# Altium PCB shkb_lite.PcbDoc (part 1 of 2)
Units mm, origin at the board's own origin, x right, y up, seen from the top; angles counter-clockwise.
Board outline 141.5 x 36 mm, 2 copper layers (Top Layer, Bottom Layer), stack 1.57 mm thick; 73 components, 51 nets, 359 pads, 288 vias.
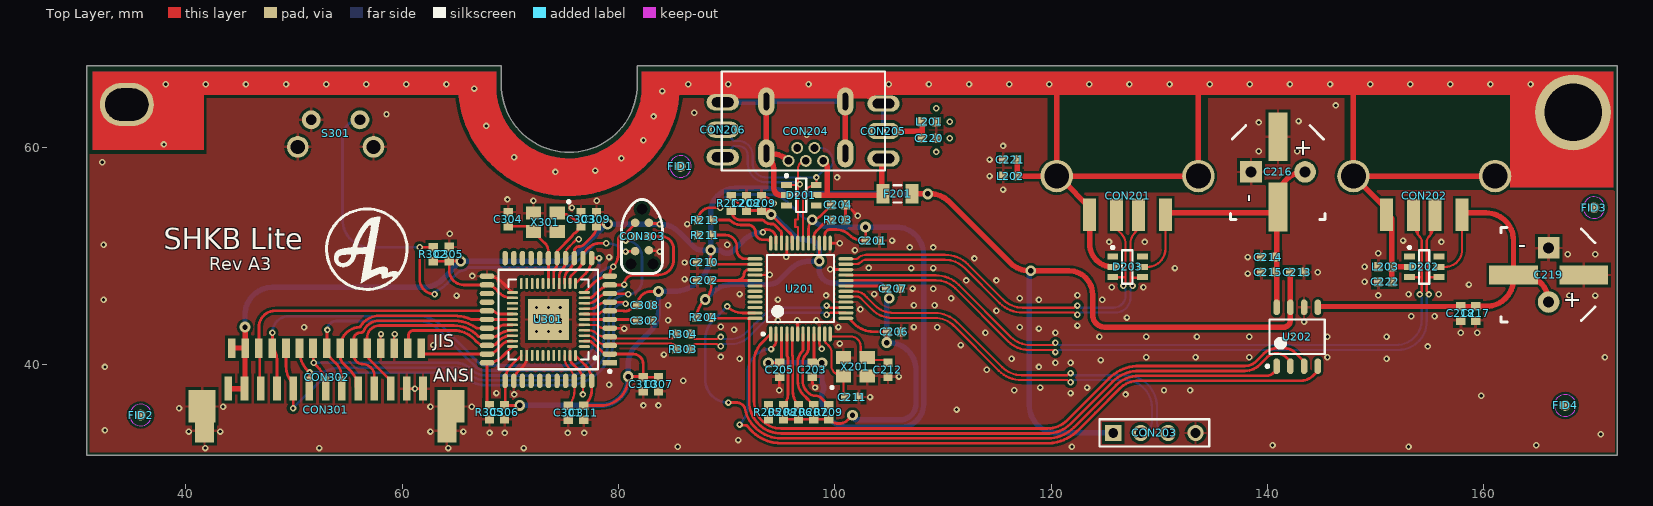
[diagram p0: Top Layer view]
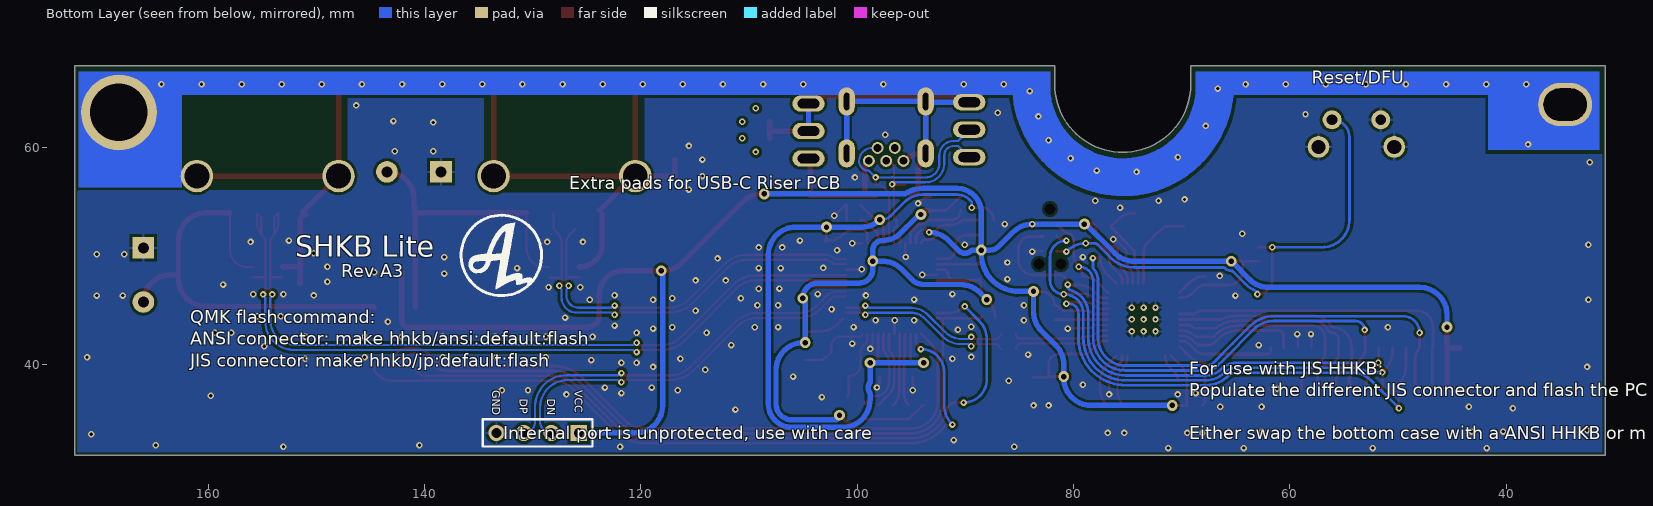
[diagram p1: Bottom Layer view, seen from below]

## Layer stack, top to bottom
Top Solder: solder mask 0.0102, Solder Resist, Dk 3.5
Top Layer: signal copper 0.0356
Dielectric 1: core 1.4986, Core-043, Dk 4.3
Bottom Layer: signal copper 0.0356
Bottom Solder: solder mask 0.0102, Solder Resist, Dk 3.5

## Board outline
30.843,31.602 30.843,67.602 69.143,67.602 69.143,65.902 ccw(c75.443,65.902) 75.443,59.602 ccw(c75.443,65.902) 81.743,65.902 81.743,67.602 172.344,67.602 172.344,31.602

## Design rules (kind name [scope] priority, off if disabled: settings)
BoardOutlineClearance [All] p1: gap=0.254 ignorepadtopadclearanceinfootprint=FALSE except(0: Arc-SplitContinuation Track-SplitContinuation SMDPad-SplitContinuation THPad-SplitContinuation Via-SplitContinuation Fill-SplitContinuation Poly-SplitContinuation Region-SplitContinuation Text-SplitContinuation)
Clearance [All] p1: gap=0.254 ignorepadtopadclearanceinfootprint=FALSE except(0: Arc-Hole Track-Hole SMDPad-Hole THPad-Hole Via-Hole Fill-Hole Poly-Hole Region-Hole Text-Hole; 0.2: Arc-Arc Arc-Track Arc-SMDPad Track-Track Track-SMDPad SMDPad-SMDPad)
DiffPairsRouting [All] p1: maxlimit=0.254 minlimit=0.254 mostfreqgap=0.254 toplayer_minwidth=0.2 toplayer_maxwidth=0.381 toplayer_prefwidth=0.381 bottomlayer_minwidth=0.2 bottomlayer_maxwidth=0.381 bottomlayer_prefwidth=0.381 maxuncoupledlength=12.7
PlaneConnect [All] p1: pad.planeconnectstyle=Relief pad.reliefexpansion=0.508 pad.reliefentries=4 pad.reliefconductorwidth=0.254 pad.reliefairgap=0.254 via.planeconnectstyle=Direct via.reliefexpansion=0.508 via.reliefentries=4 via.reliefconductorwidth=0.254 via.reliefairgap=0.254
PolygonConnect [All] p1: connectstyle=Relief reliefconductorwidth=0.254 reliefentries=4 polygonreliefangle="90 Angle" airgapwidth=0.254
RoutingVias [All] p1: holewidth=0.711 width=1.27 viastyle="Through Hole" minholewidth=0.3 minwidth=0.6 maxholewidth=0.711 maxwidth=1.27
SolderMaskExpansion [All] p1: expansion=0.102 istentingtop=FALSE
Width [All] p1: maxlimit=0.5 minlimit=0.2 preferedwidth=0.254
28 further rules are at their usual default settings.

## Classes and differential pairs
component class Designator: C301 C302 C303 C304 C305 C306 C307 C308 C309 C310 C311 CON301 CON302 CON303 R302 R303 R304 R305 S301 U301 X301
differential pair MCU_D_PRE: +MCU_D_PRE_P -MCU_D_PRE_N
differential pair D: +D_P -D_N
differential pair D4: +D4_P -D4_N
differential pair D3: +D3_P -D3_N
differential pair D2: +D2_P -D2_N
differential pair D1: +D1_P -D1_N

## Components (designator, comment, footprint, x,y, rotation, side; value= is the part's Value field where it differs from the comment)
C201 "" C0603[1608] 103.505,51.443 r180 top value=10uF
C202 "" C0603[1608] 87.925,47.76 r0 top value=10uF
C203 "" C0603[1608] 97.917,39.505 r90 top value=0.1uF
C204 "" C0603[1608] 100.33,54.745 r180 top value=0.1uF
C205 "" C0603[1608] 94.91,39.505 r90 top value=0.1uF
C206 "" C0603[1608] 105.48,43.017 r180 top value=0.1uF
C207 "" C0603[1608] 105.41,46.998 r180 top value=0.1uF
C208 "" C0603[1608] 91.821,54.872 r270 top value=0.1uF
C209 "" C0603[1608] 93.218,54.872 r270 top value=0.1uF
C210 "" C0603[1608] 87.925,49.411 r0 top value=1uF
C211 "" C0603[1608] 101.6,36.965 r180 top value=30pF
C212 "" C0603[1608] 104.902,39.505 r90 top value=30pF
C213 "" C0603[1608] 142.748,48.514 r180 top value=0.1uF
C214 "" C0603[1608] 140.081,49.911 r0 top value=0.1uF
C215 "" C0603[1608] 140.081,48.514 r0 top value=10uF
C216 "" "C_9L_9M + THT" 140.97,57.785 r270 top value=100-150uF
C217 "" C0603[1608] 159.258,44.704 r90 top value=0.1uF
C218 "" C0603[1608] 157.861,44.704 r90 top value=10uF
C219 "" "C_9L_9M + THT" 165.989,48.26 r180 top value=100-150uF
C220 "" C0603[1608] 108.712,60.893 r180 top value=0.1uF
C221 "" C0603[1608] 116.205,58.928 r0 top value=0.1uF
C222 "" C0603[1608] 150.876,47.625 r0 top value=0.1uF
C301 "" C0603[1608] 75.357,35.53 r270 top value=0.1uF
C302 "" C0603[1608] 82.405,44.048 r0 top value=1uF
C303 "" C0603[1608] 76.538,53.421 r270 top value=18pF
C304 "" C0603[1608] 69.807,53.421 r270 top value=18pF
C305 "" C0603[1608] 64.346,50.195 r270 top value=0.1uF
C306 "" C0603[1608] 69.469,35.56 r90 top value=0.1uF
C307 "" C0603[1608] 83.701,38.156 r90 top value=0.1uF
C308 "" C0603[1608] 82.405,45.471 r180 top value=0.1uF
C309 "" C0603[1608] 77.96,53.421 r270 top value=0.1uF
C310 "" C0603[1608] 82.278,38.156 r90 top value=0.1uF
C311 "" C0603[1608] 76.792,35.53 r90 top value=1uF
CON201 "Generic USB-A 2.0" "JING 903-231A2031S10100" 127.058,57.4 r180 top locked
CON202 "Generic USB-A 2.0" "JING 903-231A2031S10100" 154.493,57.4 r180 top locked
CON203 "Header 4" HDR1X4 125.73,33.655 r0 top
CON204 "HRO U-M-M5DD-W-2" "HRO U-M-M5DD-W-2" 97.315,59.5 r270 top
CON205 "Header 3" HDR1X3 104.492,59.022 r90 top
CON206 "Header 3" HDR1X3 89.633,59.149 r90 top
CON301 "HHKB-board connector" "JST S13B-ZR-SM4A-TF(LF)(SN)" 61.922,37.749 r180 top locked
CON302 "HHKB-board connector JP" DF14A-15P-1.25H 53.005,36.102 r180 top locked
CON303 "TC2030-IDC" TC2030-IDC-NL 82.169,51.816 r270 top
D201 "SRV05" SOT-23-6#1 96.901,55.634 r180 top locked
D202 "SRV05" SOT-23-6#2 154.493,49 r0 top
D203 "SRV05" SOT-23-6#2 127.058,49 r0 top
F201 "Fuse Thermal" C1206[3216] 105.791,55.753 r180 top
FID1 "Plug" Fiducial_Nordic 85.725,58.293 r90 top
FID2 "Plug" Fiducial_Nordic 35.814,35.306 r90 top
FID3 "Plug" Fiducial_Nordic 170.18,54.483 r90 top
FID4 "Plug" Fiducial_Nordic 167.513,36.195 r90 top
L201 "Inductor" L0603[1608] 108.712,62.417 r180 top value="220 @ 100MHz, 2A"
L202 "Inductor" L0603[1608] 116.205,57.404 r0 top value="220 @ 100MHz, 2A"
L203 "Inductor" L0603[1608] 150.876,49.022 r0 top value="220 @ 100MHz, 2A"
R203 "" R0603[1608] 100.33,53.348 r180 top value=2.7k
R204 "" R0603[1608] 87.884,44.331 r180 top value=10k
R205 "" R0603[1608] 93.853,35.568 r90 top value=10k
R206 "" R0603[1608] 96.647,35.568 r270 top value=10k
R207 "" R0603[1608] 98.044,35.568 r270 top value=10k
R208 "" R0603[1608] 95.25,35.568 r270 top value=10k
R209 "" R0603[1608] 99.441,35.568 r270 top value=10k
R211 "" R0603[1608] 88.011,51.951 r0 top value=10k
R212 "" R0603[1608] 90.424,54.872 r90 top value=10k
R213 "" R0603[1608] 88.011,53.34 r0 top value=10k
R302 "" R0603[1608] 62.873,50.17 r270 top value=10K
R303 "" R0603[1608] 85.979,41.402 r180 top value=22R
R304 "" R0603[1608] 85.979,42.799 r180 top value=22R
R305 "" R0603[1608] 68.072,35.56 r90 top value=10K
S301 "SW-PB" "WURTH 431256038736" 53.843,62.602 r180 top locked
U201 "FE1.1" "FE1.1 LQFP48" 96.815,46.998 r90 top
U202 "MIC2026-2" SOIC-8 142.748,42.545 r90 top
U301 "ATMEGA32U4" ATMEGA32U4-COMBO 73.515,44.142 r180 top locked
X201 "XTAL" XTAL-3225 101.895,39.759 r0 top value=12MHz
X301 "XTAL" XTAL-3225 73.236,53.116 r180 top

## Footprints (in the part's own frame and the unit in brackets; to place one, negate y for a bottom-side part, rotate by r counter-clockwise, add the part's x,y. Pads: shape width x height; smd on the part's side, far side on the other; paste and mask are expansions set on the pad)
ATMEGA32U4-COMBO [mm] "QFP, 44-Leads, Body 9,95x9,95mm, Pitch 0,80mm, IPC Medium Density"
  rect 1.35x0.5 smd: 1(-5.675,4)
  oval 1.05x0.25 smd: 1(-3.325,2.5) 2(-3.325,2) 3(-3.325,1.5) 4(-3.325,1) 5(-3.325,0.5) 6(-3.325,0) 7(-3.325,-0.5) 8(-3.325,-1) 9(-3.325,-1.5) 10(-3.325,-2) 11(-3.325,-2.5) 23(3.325,-2.5) 24(3.325,-2) 25(3.325,-1.5) 26(3.325,-1) 27(3.325,-0.5) 28(3.325,0) 29(3.325,0.5) 30(3.325,1) 31(3.325,1.5) 32(3.325,2) 33(3.325,2.5)
  oval 1.35x0.5 smd: 2(-5.675,3.2) 3(-5.675,2.4) 4(-5.675,1.6) 5(-5.675,0.8) 6(-5.675,0) 7(-5.675,-0.8) 8(-5.675,-1.6) 9(-5.675,-2.4) 10(-5.675,-3.2) 11(-5.675,-4) 23(5.675,-4) 24(5.675,-3.2) 25(5.675,-2.4) 26(5.675,-1.6) 27(5.675,-0.8) 28(5.675,0) 29(5.675,0.8) 30(5.675,1.6) 31(5.675,2.4) 32(5.675,3.2) 33(5.675,4)
  oval 0.5x1.35 smd: 12(-4,-5.675) 13(-3.2,-5.675) 14(-2.4,-5.675) 15(-1.6,-5.675) 16(-0.8,-5.675) 17(0,-5.675) 18(0.8,-5.675) 19(1.6,-5.675) 20(2.4,-5.675) 21(3.2,-5.675) 22(4,-5.675) 34(4,5.675) 35(3.2,5.675) 36(2.4,5.675) 37(1.6,5.675) 38(0.8,5.675) 39(0,5.675) 40(-0.8,5.675) 41(-1.6,5.675) 42(-2.4,5.675) 43(-3.2,5.675) 44(-4,5.675)
  oval 0.25x1.05 smd: 12(-2.5,-3.325) 13(-2,-3.325) 14(-1.5,-3.325) 15(-1,-3.325) 16(-0.5,-3.325) 17(0,-3.325) 18(0.5,-3.325) 19(1,-3.325) 20(1.5,-3.325) 21(2,-3.325) 22(2.5,-3.325) 34(2.5,3.325) 35(2,3.325) 36(1.5,3.325) 37(1,3.325) 38(0.5,3.325) 39(0,3.325) 40(-0.5,3.325) 41(-1,3.325) 42(-1.5,3.325) 43(-2,3.325) 44(-2.5,3.325)
  rect 3.81x3.81 smd paste-1000: 43(0,0)
  silkscreen extent -5.8,-4.6 4.6,4.92, body extent -3.6,-3.6 3.6,3.6, height 1
C0603[1608] [mm] "Chip Resistor, 2-Leads, Body 1,57x0,80mm, IPC Medium Density"
  rect 0.8x0.85 smd: 1(-0.65,0) 2(0.65,0)
  body extent -0.83,-0.43 0.82,0.43, height 0.5
C1206[3216] [mm]
  rect 1.2x1.8 smd: 1(-1.35,0) 2(1.35,0)
  silkscreen extent -0.35,-0.8 0.35,0.8, body extent -1.6,-0.9 1.6,0.9, height 1.2
"C_9L_9M + THT" [mm] "Size 9L and 9M Aluminium capacitor"
  round 2 hole 1 mask+0.102: 1(0,2.5)
  rect 4.5x1.75 smd: 1(3.25,0) 2(-3.25,0)
  rect 2x2 hole 1 mask+0.102: 2(0,-2.5)
  silkscreen extent -4.29,-4.39 4.39,4.34, body extent -4.8,-4.26 4.8,4.24, height 6.5
DF14A-15P-1.25H [mm]
  rect 0.7x1.8 smd: 1(8.75,-5.4) 2(7.5,-5.4) 3(6.25,-5.4) 4(5,-5.4) 5(3.75,-5.4) 6(2.5,-5.4) 7(1.25,-5.4) 8(0,-5.4) 9(-1.25,-5.4) 10(-2.5,-5.4) 11(-3.75,-5.4) 12(-5,-5.4) 13(-6.25,-5.4) 14(-7.5,-5.4) 15(-8.75,-5.4)
  rect 2.5x3 smd: 16(-11.5,0) 16(11.5,0)
"FE1.1 LQFP48" [mm] "TSQFP, 48-Leads, Body 7.00x7.00mm, Pitch 0.50mm, IPC Medium Density"
  oval 1.4x0.3 smd: 1(-4.2,2.75) 2(-4.2,2.25) 3(-4.2,1.75) 4(-4.2,1.25) 5(-4.2,0.75) 6(-4.2,0.25) 7(-4.2,-0.25) 8(-4.2,-0.75) 9(-4.2,-1.25) 10(-4.2,-1.75) 11(-4.2,-2.25) 12(-4.2,-2.75) 25(4.2,-2.75) 26(4.2,-2.25) 27(4.2,-1.75) 28(4.2,-1.25) 29(4.2,-0.75) 30(4.2,-0.25) 31(4.2,0.25) 32(4.2,0.75) 33(4.2,1.25) 34(4.2,1.75) 35(4.2,2.25) 36(4.2,2.75)
  oval 0.3x1.4 smd: 13(-2.75,-4.2) 14(-2.25,-4.2) 15(-1.75,-4.2) 16(-1.25,-4.2) 17(-0.75,-4.2) 18(-0.25,-4.2) 19(0.25,-4.2) 20(0.75,-4.2) 21(1.25,-4.2) 22(1.75,-4.2) 23(2.25,-4.2) 24(2.75,-4.2) 37(2.75,4.2) 38(2.25,4.2) 39(1.75,4.2) 40(1.25,4.2) 41(0.75,4.2) 42(0.25,4.2) 43(-0.25,4.2) 44(-0.75,4.2) 45(-1.25,4.2) 46(-1.75,4.2) 47(-2.25,4.2) 48(-2.75,4.2)
  silkscreen extent -4.32,-3.1 3.1,3.57, body extent -4.5,-4.5 4.5,4.5, height 1.5
Fiducial_Nordic [mm]
  round 1 smd paste+0 mask+0.5: 0(0,0)
  Top Layer keep-out circle w0.01: c0,0 r1
HDR1X3 [mm] "Connector; Header; 3 Position"
  oval 1.5x3 hole 0.9 slot 2 at 90 deg: 1(0,0) 2(2.54,0) 3(5.08,0)
HDR1X4 [mm] "Connector; Header; 4 Position"
  rect 1.5x1.5 hole 0.9: 1(0,0)
  round 1.5 hole 0.9: 2(2.54,0) 3(5.08,0) 4(7.62,0)
  silkscreen extent -1.27,-1.27 8.89,1.27
"HRO U-M-M5DD-W-2" [mm]
  round 1.1 hole 0.7: 1(0.7,1.6) 2(-0.5,0.8) 3(0.7,0) 4(-0.5,-0.8) 5(0.7,-1.6)
  oval 2.6x1.5 hole 0.5 slot 1.6 at 0 deg: S(-4.8,3.65) S(-4.8,-3.65) S(0,3.65) S(0,-3.65)
"JING 903-231A2031S10100" [mm] "C42646"
  rect 1.2x3 smd: 1(-3.5,3.592) 2(-1,3.592) 3(1,3.592) 4(3.5,3.592)
  round 3 hole 2.3: 5(-6.55,0) 5(6.55,0)
"JST S13B-ZR-SM4A-TF(LF)(SN)" [mm]
  rect 0.7x2.2 smd: 1(0,0) 2(1.5,0) 3(3,0) 4(4.5,0) 5(6,0) 6(7.5,0) 7(9,0) 8(10.5,0) 9(12,0) 10(13.5,0) 11(15,0) 12(16.5,0) 13(18,0)
  rect 1.75x2.2 smd: 14(-2.2,3.9) 14(20.2,3.9)
  body extent -2.23,-0.53 20.27,5.97, height 3.7
L0603[1608] [mm] "Chip Resistor, 2-Leads, Body 1,57x0,80mm, IPC Medium Density"
  rect 0.8x0.85 smd: 1(-0.65,0) 2(0.65,0)
  body extent -0.83,-0.43 0.82,0.43, height 0.5
R0603[1608] [mm] "Chip Resistor, 2-Leads, Body 1,57x0,80mm, IPC Medium Density"
  rect 0.8x0.85 smd: 1(-0.65,0) 2(0.65,0)
  body extent -0.83,-0.43 0.82,0.43, height 0.5
SOIC-8 [mm] "Based on AT24C256C datasheet"
  oval 1.45x0.6 smd: 1(-2.725,1.905) 2(-2.725,0.635) 3(-2.725,-0.635) 4(-2.725,-1.905) 5(2.725,-1.905) 6(2.725,-0.635) 7(2.725,0.635) 8(2.725,1.905)
  silkscreen extent -2.85,-2.55 1.6,2.88, body extent -3,-2.55 3,2.55, height 1.75
SOT-23-6#1 [mm]
  rect 1x0.55 smd: 1(1.375,-0.95) 2(1.375,0) 3(1.375,0.95) 4(-1.375,0.95) 5(-1.375,0) 6(-1.375,-0.95)
  silkscreen extent -0.46,-1.92 1.5,1.55, body extent -1.47,-1.49 1.37,1.44, height 1.05
SOT-23-6#2 [mm]
  rect 1x0.55 smd: 1(-1.375,0.95) 2(-1.375,0) 3(-1.375,-0.95) 4(1.375,-0.95) 5(1.375,0) 6(1.375,0.95)
  silkscreen extent -1.5,-1.55 0.46,1.92, body extent -1.37,-1.44 1.47,1.49, height 1.05
TC2030-IDC-NL [mm] "Tag-Connect 6-Pin with No Legs (PN# TC2030-IDC-NL)"
  round 0.9 hole 0.995 unplated: 0(-2.54,0) 0(2.54,1.016) 0(2.54,-1.016)
  round 0.79 smd paste-0.39: 1(-1.27,-0.635) 2(-1.27,0.635) 3(0,-0.635) 4(0,0.635) 5(1.35,-0.635) 6(1.27,0.635)
  silkscreen extent -3.43,-1.9 3.43,1.9
"WURTH 431256038736" [mm]
  round 1.75 hole 1 mask+0.102: 1(-2.25,0) 2(2.25,0)
  round 2 hole 1.3 mask+0.102: 3(-3.5,2.5) 3(3.5,2.5)
  body extent -4.2,-3.85 4.2,4, height 7.2
XTAL-3225 [mm]
  rect 1.4x1.2 smd: 1(-1.1,-0.85) 2(1.1,-0.85) 3(1.1,0.85) 4(-1.1,0.85)
  silkscreen extent -2.28,-2.03 -2.03,-1.78, body extent -1.6,-1.25 1.6,1.25, height 0.65

## Part data
C201 C202 C215 C218: library part Cap, "Capacitor", JLC=BASIC, LCSC MFG="Samsung Electro-Mechanics", LCSC Part #=C19702, MRF.Part=CL10A106KP8NNNC, Version="0603 imperial"
C203 C204 C205 C206 C207 C208 C209 C213 C214 C217 C220 C221 C222 C301 C305 C306 C307 C308 C309 C310: library part Cap, "Capacitor", JLC=BASIC, LCSC MFG=YAGEO, LCSC Part #=C14663, MFG=KEMET, MFGPN=C0603C104M5RACTU, MRF.Part=CC0603KRX7R9BB104, Version="0603 imperial"
C210 C302 C311: library part Cap, "Capacitor", JLC=BASIC, LCSC MFG="Samsung Electro-Mechanics", LCSC Part #=C15849, MFG=KEMET, MFGPN=C0603C105K4RACTU, MRF.Part=CL10A105KB8NNNC, Version="0603 imperial"
C211 C212: library part Cap, "Capacitor", JLC=BASIC, LCSC MFG="Samsung Electro-Mechanics", LCSC Part #=C22397, MRF.Part=CL10C300JB8NNNC, Version="0603 imperial"
C216 C219: library part Cap, "Capacitor", JLC=EXTENDED, LCSC MFG=Lelon, LCSC Part #=C134878, MRF.Part=OVZ101M1CTR-0606, Version="SMD - 9L or 9M"
C303 C304: library part Cap, "Capacitor", JLC=BASIC, LCSC MFG="Samsung Electro-Mechanics", LCSC Part #=C1647, MFG=KEMET, MFGPN=C0603C180J5GACAUTO, MRF.Part=CL10C180JB8NNNC, Version="0603 imperial"
CON201 CON202: JLC=EXTENDED, LCSC MFG="Jing Extension of the Electronic Co.", LCSC Part #=C42646, MRF.Part=903-231A2031S10100
CON203: "Header, 4-Pin"
CON204: LCSC MFG="Korean Hroparts Elec", LCSC Part #=C879746, MRF.Part=U-M-M5DD-W-2
CON205 CON206: "Header, 3-Pin"
CON301: library part "Header 14", JLC=NONE, LCSC MFG="JST Sales America", LCSC Part #=C265326, MFG="JST Sales America Inc", MFGPN=S13B-ZR-SM4A-TF(LF)(SN), MRF.Part=S13B-ZR-SM4A-TF(LF)(SN)
CON302: library part DF14A-15P-1.25H, JLC=NONE, LCSC MFG=HRS(Hirose), LCSC Part #=C597889, MFG="Hirose Electric Co Ltd", MFGPN=DF14A-15P-1.25H(26), MRF.Part=DF14A-15P-1.25H(26)
CON303: library part "Header 3X2", "Header, 3-Pin, Dual row", JLC=DNP
D201 D202 D203: JLC=BASIC, LCSC MFG="ProTek Devices", LCSC Part #=C85364, MRF.Part=SRV05-4-P-T7
F201: "Thermal Fuse", LCSC MFG="Shenzhen JDT Fuse", LCSC Part #=C135338, MFG="Bel Fuse Inc.", MFGPN=0ZCJ0050FF2G, MRF.Part=ASMD1206-050
FID1 FID2 FID3 FID4: JLC=DNP
L201 L202 L203: JLC=EXTENDED, LCSC MFG="Murata Electronics", LCSC Part #=C85832, MFG="Murata Electronics North America", MFGPN=BLM18KG221SN1D, MRF.Part=BLM18KG331SN1D, Version="0603 imperial"
R203: library part Res1, "Resistor", JLC=BASIC, LCSC MFG="UNI-ROYAL(Uniroyal Elec)", LCSC Part #=C13167, MRF.Part=0603WAF2701T5E, Version="0603 imperial"
R204 R205 R206 R207 R208 R209 R211 R212 R213 R302 R305: library part Res1, "Resistor", JLC=BASIC, LCSC MFG="Uniroyal Elec", LCSC Part #=C25804, MFG="Vishay Dale", MFGPN=RCA060310K0FKEA, MRF.Part=0603WAF1002T5E, Version="0603 imperial"
R303 R304: library part Res1, "Resistor", JLC=BASIC, LCSC MFG="Uniroyal Elec", LCSC Part #=C23345, MFG="Vishay Dale", MFGPN=CRCW060322R0FKEAC, MRF.Part="0603WAF220JT5E  0603WAF220JT5E", Version="0603 imperial"
S301: "Switch", JLC=NONE, LCSC MFG="Korean Hroparts Elec", LCSC Part #=C127680, MFG="Wurth Electronics Inc", MFGPN=431256038736, MRF.Part=K2-1102AQ-C4CW-01
U201: JLC=EXTENDED, LCSC MFG="Terminus Tech", LCSC Part #=C28958, MRF.Part=FE1.1
U202: JLC=EXTENDED, LCSC MFG="Microchip Tech", LCSC Part #=C148072, MRF.Part=MIC2026-2YM-TR
U301: JLC=EXTENDED, LCSC MFG="Microchip Tech", LCSC Part #=C45874, MFG="Microchip Technology", MFGPN=ATMEGA32U4-MUR, MRF.Part=ATMEGA32U4-MUR
X201: "Crystal Oscillator", JLC=BASIC, LCSC MFG="Yangxing Tech", LCSC Part #=C9002, MRF.Part=X322512MSB4SI
X301: "Crystal Oscillator", JLC=BASIC, LCSC MFG="Yangxing Tech", LCSC Part #=C13738, MRF.Part=X322516MLB4SI

## Free pads (board coordinates)
  oval 5x4 hole 3 slot 4 at 0 deg paste-1: ""(34.544,64.008)
  round 7 hole 5.3: ""(168.251,63.288)

## Via types
v1: diameter 0.6, hole 0.3, Top Layer to Bottom Layer, tented both sides, 260 vias
v2: diameter 1, hole 0.5, Top Layer to Bottom Layer, tented both sides, 19 vias
v3: diameter 0.6, hole 0.3, Top Layer to Bottom Layer, 9 vias

## Nets (pads, with @x,y where several pads share a name; then routed paths per layer and width w, separated by ;. In a path a pad name is that pad's centre, name@x,y a point inside that pad or via, vN(x,y) a via of type N, cw(c..) or ccw(c..) an arc to the next point about the centre after c; other vN are vias at no path point)
D1_N: CON201.2 D203.4 U201.23 | length 38.6
  Top Layer w0.203: U201.23@101.015,49.248 cw(c101.06,49.203) 101.06,49.267 101.652,49.267 101.655,49.269 101.952,49.269 ccw(c101.952,49.945) 102.43,49.467 cw(c102.907,48.99) 102.907,49.665 110.18,49.665 cw(c110.18,47.125) 111.976,48.921 115.245,45.653 ccw(c117.363,47.771) 115.248,45.65 ccw(c117.363,47.771) 117.359,44.775 ccw(c117.363,47.771) 117.363,44.775 122.122,44.775 122.321,44.577 v1(122.428,44.577) ; v1(127.529,47.251) cw(c127.529,47.45) 127.33,47.45 127.33,48.006 ; CON201.2@128.058,54 128.058,52.5 127.784,52.226 ccw(c128.874,51.133) 127.33,51.133 127.33,51.13 127.33,48.006 ; D203.4@128.433,48.05 cw(c128.389,48.05) 128.389,48.006 127.33,48.006
  Bottom Layer w0.203: v1(122.428,44.577) 122.535,44.577 122.734,44.775 125.94,44.775 ccw(c125.94,46.166) 127.33,46.166 127.33,46.946 127.529,47.144 v1(127.529,47.251)
D1_P: CON201.3 D203.3 U201.24 | length 36.4
  Top Layer w0.203: U201.24@101.015,49.748 ccw(c101.06,49.793) 101.06,49.729 101.652,49.729 101.655,49.727 101.95,49.727 ccw(c101.95,49.95) 102.108,49.792 ; 102.109,49.793 cw(c102.905,48.994) 102.905,50.122 110.182,50.122 cw(c110.182,47.128) 112.299,49.245 115.567,45.977 ccw(c117.364,47.773) 117.364,45.233 122.122,45.233 122.321,45.431 v1(122.428,45.431) ; D203.3@125.683,48.05 126.829,48.05 cw(c126.829,48.006) 126.873,48.006 ; CON201.3@126.058,52.5 126.477,52.081 126.478,52.08 cw(c125.529,51.128) 126.873,51.128 126.873,48.006 ; v1(126.675,47.251) ccw(c126.675,47.45) 126.873,47.45 126.873,48.006
  Bottom Layer w0.203: v1(122.428,45.431) 122.535,45.431 122.734,45.233 125.751,45.233 ccw(c125.751,46.355) 126.873,46.355 126.873,46.946 126.675,47.144 v1(126.675,47.251)
D2_N: CON202.2 D202.4 U201.20 | length 71.6
  Top Layer w0.203: U201.20@101.015,47.748 101.034,47.767 101.652,47.767 101.655,47.769 109.332,47.769 cw(c109.332,45.229) 111.128,47.025 116.04,42.113 ; 116.041,42.112 ccw(c117.94,44.012) 117.94,41.326 120.198,41.326 v1(120.396,41.127) ; v1(154.92,46.454) 154.92,46.561 154.722,46.759 154.722,48.006 ; D202.4@155.868,48.05 154.766,48.05 ccw(c154.766,48.006) 154.722,48.006 ; 154.722,48.006 154.722,51.334 cw(c155.358,51.334) 154.908,51.784 ; 154.908,51.784 ccw(c153.496,53.196) 154.909,51.785 ; 154.908,51.784 154.909,51.785 ; 154.909,51.785 ccw(c153.496,53.196) 155.095,51.999 ; 155.095,51.999 ccw(c153.496,53.196) 155.493,53.196 155.493,54 155.095,53.602 155.095,51.999
  Bottom Layer w0.203: v1(120.396,41.127) 120.503,41.127 120.702,41.326 152.081,41.326 ccw(c152.081,43.966) 154.722,43.966 154.722,46.148 154.92,46.346 v1(154.92,46.454)
D2_P: CON202.3 D202.3 U201.21 | length 70.8
  Top Layer w0.203: U201.21@101.015,48.248 101.034,48.229 101.652,48.229 101.655,48.227 109.333,48.227 cw(c109.333,45.233) 111.45,47.35 116.273,42.527 ccw(c118.069,44.323) 118.069,41.783 120.198,41.783 v1(120.396,41.981) ; D202.3@153.118,48.05 154.22,48.05 cw(c154.22,48.006) 154.264,48.006 ; v1(154.066,46.454) 154.066,46.561 154.264,46.759 154.264,48.006 ; 153.891,52.004 ccw(c155.49,53.201) 154.077,51.79 ; 153.891,52.004 cw(c155.49,53.201) 153.493,53.201 153.493,54 153.891,53.602 153.891,52.004 ; 154.077,51.79 ccw(c155.49,53.201) 154.078,51.789 ; 154.077,51.79 154.078,51.789 ; 154.078,51.789 cw(c153.628,51.339) 154.264,51.339 154.264,48.006
  Bottom Layer w0.203: v1(120.396,41.981) 120.503,41.981 120.702,41.783 151.892,41.783 ccw(c151.892,44.155) 154.264,44.155 154.264,46.148 154.066,46.346 v1(154.066,46.454)
D3_N: CON203.2 U201.17 | length 35.9
  Top Layer w0.2: U201.17@101.015,46.248 101.034,46.267 101.655,46.267 101.659,46.271 101.947,46.271 cw(c101.947,45.575) 102.438,46.068 ; 102.439,46.067 103.468,45.038 ccw(c105.264,46.834) 105.264,44.294 109.213,44.294 cw(c109.213,41.754) 111.009,43.55 115.148,39.411 ccw(c117.263,41.527) 115.151,39.408 ccw(c117.263,41.527) 117.259,38.535 ccw(c117.263,41.527) 117.263,38.535 121.485,38.535 121.685,38.335 v1(121.793,38.335)
  Bottom Layer w0.2: v1@121.793,38.535 v1(121.793,38.335) 121.901,38.335 122.101,38.535 126.773,38.535 cw(c126.773,35.995) 129.313,35.995 129.313,34.698 cw(c128.27,34.698) CON203.2@128.27,33.655
D3_P: CON203.3 U201.18 | length 36.5
  Top Layer w0.2: U201.18@101.015,46.748 101.034,46.729 101.655,46.729 101.659,46.725 102.041,46.725 cw(c102.041,46.21) 102.218,46.694 ccw(c102.285,46.882) 102.234,46.689 102.244,46.686 cw(c101.947,45.575) 102.759,46.389 cw(c101.947,45.575) 102.761,46.387 102.955,46.194 103.677,45.471 ; 103.678,45.47 ccw(c105.422,47.216) 105.422,44.748 109.214,44.748 cw(c109.214,41.758) 111.329,43.872 115.468,39.733 ccw(c117.264,41.529) 117.264,38.989 121.485,38.989 121.685,39.189 v1(121.793,39.189)
  Bottom Layer w0.2: v1@121.722,39.189 v1(121.793,39.189) 121.901,39.189 122.101,38.989 126.88,38.989 cw(c126.88,36.102) 129.767,36.102 129.767,34.698 ccw(c130.81,34.698) CON203.3@130.81,33.655
D4_N: R303.1 U201.14 | length 15.9
  Top Layer w0.2: R303.1@86.629,41.402 86.91,41.683 ccw(c86.863,41.729) 86.929,41.729 cw(c86.995,41.729) 86.948,41.776 cw(c87.185,41.539) 87.185,41.874 88.966,41.874 cw(c88.966,41.452) 89.264,41.75 ccw(c89.449,41.935) v1(89.449,41.674) ; v1(99.228,44.571) cw(c99.711,44.088) 99.711,44.771 100.371,44.771 100.375,44.767 100.969,44.767 cw(c100.969,44.702) U201.14@101.015,44.748
  Bottom Layer w0.2: v1(89.449,41.674) 89.557,41.674 89.757,41.874 90.449,41.874 ccw(c90.449,44.159) 92.065,42.543 93.762,44.24 cw(c95.044,42.958) 93.763,44.241 cw(c95.044,42.958) 95.044,44.771 98.92,44.771 99.12,44.571 v1(99.228,44.571)
D4_P: R304.1 U201.15 | length 15.9
  Top Layer w0.2: R304.1@86.629,42.799 86.91,42.518 cw(c86.863,42.472) 86.929,42.472 ccw(c86.995,42.472) 86.948,42.425 ccw(c87.185,42.662) 87.185,42.327 88.966,42.327 ccw(c88.966,42.749) 89.264,42.451 cw(c89.449,42.266) v1(89.449,42.527) ; v1(99.228,45.425) ccw(c99.711,45.908) 99.711,45.225 100.371,45.225 100.375,45.229 100.969,45.229 ccw(c100.969,45.294) U201.15@101.015,45.248
  Bottom Layer w0.2: v1(89.449,42.527) 89.557,42.527 89.757,42.327 90.261,42.327 ccw(c90.261,44.613) 91.877,42.997 93.442,44.562 cw(c95.043,42.961) 93.445,44.565 cw(c95.043,42.961) 95.043,45.225 98.92,45.225 99.12,45.425 v1(99.228,45.425)
D_N: CON204.2 CON206.2 D201.6 U201.30 | length 22.2
  Top Layer w0.2: U201.30@97.042,51.842 97.042,55.35 cw(c98.276,55.35) D201.6@98.276,56.584 98.298,56.606 v1(98.298,57.277)
  Bottom Layer w0.2: CON206.2@89.633,61.689 90.676,60.646 91.059,60.646 cw(c91.059,59.303) 92.402,59.303 92.402,58.547 ccw(c93.672,58.547) 93.672,57.277 96.618,57.277 cw(c96.774,56.642) 96.93,57.277 v1(98.298,57.277) 98.298,57.298 98.896,57.896 ; CON204.2@98.115,60 98.62,60 cw(c98.62,58.801) 99.793,59.049 cw(c98.62,58.801) 99.795,59.039 ; 98.898,57.896 ccw(c98.915,58.8) 99.297,57.98 ccw(c98.915,58.8) 99.794,59.012
D_P: CON204.3 CON206.1 D201.1 U201.31 | length 19.9
  Top Layer w0.2: D201.1@95.526,56.584 96.522,56.584 ccw(c96.522,56.65) v1@96.588,56.65 ; U201.31@96.565,51.198 96.584,51.217 U201.31@96.584,51.838 ; U201.31@96.588,51.842 96.588,52.578 96.588,52.678 96.34,52.678 96.34,53.386 96.588,53.386 96.588,53.848 v1@96.588,56.65 ; v1(96.774,56.642) v1@96.766,56.65 ; CON204.3@97.315,58.8 ccw(c97.315,58.073) 96.588,58.073 96.588,56.828 v1@96.766,56.65 ; v1@96.588,56.65 v1@96.766,56.65
  Bottom Layer w0.2: CON206.1@89.633,59.149 90.676,60.192 91.059,60.192 cw(c91.059,59.303) 91.948,59.303 91.948,58.547 ccw(c93.672,58.547) 93.672,56.823 96.593,56.823 cw(c96.593,56.642) v1(96.774,56.642) ; v1@96.774,56.573 v1@96.843,56.573
GND: C201.1 C202.1 C203.1 C204.1 C205.1 C206.1 C207.1 C208.1 C209.1 C210.1 C211.1 C212.1 C213.1 C214.1 C215.1 C216.2 C217.1 C218.1 C219.2 C220.1 C221.1 C222.1 C301.2 C302.2 C303.1 C304.1 C305.1 C306.1 C307.1 C308.1 C309.1 C310.1 C311.1 CON203.4 CON301.1 CON301.2 CON301.14 CON302.12 CON302.13 CON302.16 CON303.6 L201.1 L202.1 L203.1 R203.1 R211.1 R305.1 S301.2 S301.3 U201.6 U201.10 U201.16 U201.22 U201.25 U201.33 U201.40 U201.42 U202.6 U301.5 U301.15 U301.23 U301.35 U301.43 X201.2 X201.4 X301.2 X301.4 | length 38.1
  Top Layer w0.2: U201.40@92.615,48.248 92.625,48.258 93.97,48.258 v1(93.98,48.268) ; v1(95.504,49.919) 95.546,49.961 95.546,51.179 U201.33@95.565,51.198 ; U201.25@99.565,51.198 99.574,51.189 v1(100.457,51.189)
  Top Layer w0.203: CON302.12@58.005,41.502 58.005,42.765 cw(c58.039,42.765) v1(58.039,42.799) ; CON302.13@59.255,41.502 59.255,42.745 cw(c59.309,42.745) v1(59.309,42.799) ; U301.15@75.115,49.817 75.115,50.247 cw(c75.819,50.247) 75.156,50.483 cw(c75.819,50.247) 75.321,50.744 75.487,50.91 76.063,51.486 76.251,51.486 v1(76.327,51.562) ; v1(76.708,37.211) 76.712,37.215 76.712,38.463 U301.43@76.715,38.467 ; U301.5@76.84,43.642 77.909,43.642 cw(c77.909,43.365) 78.105,43.561 ccw(c78.633,44.089) 78.633,43.342 U301.5@79.19,43.342 79.208,43.325 80.5,43.325 v1(80.518,43.307) ; CON303.6@82.804,50.546 82.867,50.482 83.757,50.482 v1(83.82,50.419) ; v1@101.9,53.729 v1(102.108,53.729)
  Top Layer w0.254: CON301.2@60.422,37.749 CON301.1@61.922,37.749 ; U301.23@67.84,48.142 cw(c67.84,46.09) 69.291,47.541 U301.23@70.19,46.642 ; U301.35@70.315,38.467 cw(c71.472,38.467) 70.654,39.285 71.12,39.751 ccw(c70.166,40.705) 71.515,40.705 U301.35@71.515,40.817 ; U301.15@74.515,47.467 74.515,48.126 cw(c75.447,48.126) 74.788,48.785 ; 74.789,48.785 ccw(c73.998,49.575) 75.115,49.575 U301.15@75.115,49.817 ; U301.43@75.515,40.817 75.515,40.558 ccw(c76.118,40.558) 75.58,40.287 cw(c75.353,40.173) 75.591,40.262 ccw(c76.015,40.417) 75.676,40.118 ccw(c76.015,40.417) 75.713,40.081 cw(c75.542,39.894) 75.722,40.073 76.281,39.514 cw(c75.238,38.467) 76.283,39.512 cw(c75.238,38.467) U301.43@76.715,38.467 ; C209.1@93.218,55.522 cw(c93.218,54.332) 94.06,55.173 v1(94.361,54.872) ; v1(94.869,37.6) 94.869,38.814 C205.1@94.91,38.855 ; v1(96.52,44.077) 96.556,44.041 96.556,42.807 U201.6@96.565,42.798 ; C203.1@97.917,38.855 97.917,38.467 ccw(c98.784,38.467) 98.017,38.062 ccw(c98.784,38.467) v1(98.171,37.854) ; U201.10@98.565,42.798 98.565,41.978 ccw(c99.355,41.978) 98.631,41.662 ccw(c99.355,41.978) v1(98.796,41.42) ; v1(99.568,48.776) 99.587,48.757 101.006,48.757 U201.22@101.015,48.748 ; R203.1@100.98,53.348 C204.1@100.98,54.745 cw(c100.98,54.475) 101.171,54.666 v1(102.108,53.729)
  other v1: 41.783,32.258 52.324,32.258 64.262,32.258 71.247,32.258 85.471,32.385 121.92,32.385 153.035,32.385 140.462,32.512 164.846,32.512 91.059,33 170.815,33.528 68.072,33.655 69.469,33.655 75.311,33.655 76.835,33.655 40.259,33.782 43.18,33.782 62.611,33.782 65.659,33.782 32.512,33.909 111.252,35.814 39.37,35.941 43.434,36.068 62.611,36.068 66.421,36.068 82.296,36.195 83.693,36.195 103.251,36.965 159.766,37.084 70.358,37.211 126.873,37.211 68.707,37.338 121.793,37.34 116.586,37.592 130.429,37.592 132.842,37.592 61.172,37.749 118.999,37.846 123.317,37.846 79.121,38.1 85.979,38.481 105.918,38.87 114.046,39.497 32.512,39.751 118.872,39.751 120.396,40.132 121.793,40.134 124.587,40.386 91.186,40.521 116.332,40.513 151.003,40.513 128.778,40.64 133.35,40.64 138.303,40.64 145.542,40.64 171.196,40.64 89.449,40.678 84.201,40.894 154.813,41.656 62.865,41.783 111.633,41.783 100.457,41.918 124.46,42.545 128.778,42.545 133.477,42.545 138.303,42.545 142.113,42.545 145.542,42.545 151.003,42.545 113.919,42.926 120.396,42.926 157.861,42.926 159.385,42.926 90.678,43.188 118.872,43.307 50.927,43.434 100.33,43.442 107.315,43.442 109.474,43.434 117.094,43.434 89.449,43.472 122.428,43.582 143.383,43.942 84.582,44.069 94.742,44.077 98.298,44.077 127,44.323 153.289,44.45 155.448,44.45 114.935,44.958 102.362,45.093 84.582,45.466 107.315,45.466 109.22,45.466 32.385,45.974 94.742,45.982 118.872,45.974 124.714,45.974 110.744,46.101 117.094,46.101 65.024,46.355 99.187,46.363 167.894,46.355 170.307,46.355 122.428,46.376 150.226,46.37 91.186,46.49 103.632,46.49 153.035,46.482 155.829,46.482 107.188,46.998 109.093,46.99 125.603,47.117 128.524,47.117 158.623,47.371 148.971,47.625 112.141,47.752 114.935,47.752 86.106,47.879 66.465,48.171 138.176,48.387 144.653,48.514 103.124,48.903 107.061,48.895 109.093,48.895 131.445,48.895 148.971,49.022 86.106,49.411 112.903,49.784 79.121,49.911 138.176,49.911 167.767,50.165 170.307,50.165 150.226,50.277 101.854,50.554 106.934,50.8 109.093,50.8 32.385,51.054 90.043,51.062 125.349,51.308 128.651,51.308 156.083,51.308 105.283,51.443 152.527,51.435 64.389,52.07 86.36,52.967 75.692,54.483 72.136,55.118 77.978,55.118 69.723,55.245 115.555,56.149 100.203,57.277 114.3,57.404 32.258,58.674 114.3,58.928 139.192,59.69 142.748,59.69 115.555,60.183 97.409,61.214 139.192,62.357 142.875,62.484 58.547,63.119 86.995,63.246 146.312,63.937
  other v3: 72.415,43.042 73.515,43.042 74.615,43.042 72.415,44.142 73.515,44.142 74.615,44.142 72.415,45.242 73.515,45.242 74.615,45.242
MCU_D_PRE_N: R303.2 U301.3 | length 9.1
  Top Layer w0.2: U301.3@76.84,42.642 77.183,42.642 cw(c77.183,41.877) 77.724,42.418 77.841,42.301 ccw(c79.19,43.651) U301.3@79.19,41.742 cw(c79.363,41.742) 79.363,41.915 84.816,41.915 cw(c84.816,41.402) R303.2@85.329,41.402
MCU_D_PRE_P: R304.2 U301.4 | length 9
  Top Layer w0.2: U301.4@76.84,43.142 77.329,43.142 cw(c77.329,42.404) 77.851,42.926 ccw(c78.778,43.853) 78.778,42.542 U301.4@79.19,42.542 ccw(c79.363,42.542) 79.363,42.369 84.899,42.369 ccw(c84.899,42.799) R304.2@85.329,42.799
MISO: CON301.6 CON302.8 CON303.1 U301.11 | length 52
  Top Layer w0.254: v1(53.086,43.18) 53.045,43.139 53.045,41.543 CON302.8@53.005,41.502 ccw(c54.294,41.502) 53.203,40.816 ccw(c54.294,41.502) 53.228,40.778 ccw(c54.294,41.502) 53.382,40.591 53.836,40.137 cw(c52.421,38.723) 54.422,38.723 CON301.6@54.422,37.749 CON301.6@54.61,38.722 ; U301.11@76.84,46.642 77.739,47.541 cw(c79.19,46.09) U301.11@79.19,48.142 79.19,48.27 cw(c80.254,48.27) v1(79.502,49.022) ccw(c78.383,50.141) 79.965,50.141 79.965,50.368 ccw(c79.711,50.367) 79.965,50.38 cw(c80.645,50.419) 79.965,50.458 ccw(c79.711,50.471) 79.965,50.47 79.965,51.384 ccw(c79.711,51.383) 79.965,51.396 cw(c80.645,51.435) 80.601,52.115 ccw(c80.584,52.368) 80.762,52.187 81.444,52.869 ccw(c81.227,53.086) CON303.1@81.534,53.086
  Bottom Layer w0.254: v1(53.086,43.18) cw(c53.902,43.18) 53.902,43.996 61.498,43.996 cw(c61.498,41.456) 63.294,43.252 66.1,40.446 66.669,39.877 cw(c64.95,38.148) 66.675,39.871 ccw(c67.756,40.956) 67.756,39.424 75.184,39.424 ccw(c75.184,42.418) 78.178,42.418 78.178,47.698 cw(c79.502,47.698) v1(79.502,49.022)
MOSI: CON301.7 CON302.7 CON303.4 U301.10 | length 53.5
  Top Layer w0.254: CON302.7@51.755,41.502 51.785,41.472 51.785,40.163 v1(51.816,40.132) ; v1@51.89,40.132 v1(51.816,40.132) ; CON301.7@52.922,37.749 52.922,37.974 ccw(c50.382,37.974) 52.178,39.77 v1(51.816,40.132) ; U301.10@76.84,46.142 77.37,46.142 ccw(c77.369,46.396) 77.483,46.169 ccw(c77.177,46.775) 77.658,46.296 77.768,46.406 cw(c79.19,44.987) 77.853,46.487 ccw(c77.683,46.676) 77.862,46.495 77.959,46.592 cw(c78.138,46.412) 77.978,46.609 78.152,46.783 cw(c79.502,45.433) 79.502,47.342 v1@80.565,47.342 ; v1(80.518,47.371) cw(c81.407,47.371) 81.407,48.26 83.693,48.26 ccw(c83.693,49.657) 85.09,49.657 85.09,50.673 ccw(c83.947,50.673) 83.947,51.816 CON303.4@82.804,51.816
  Bottom Layer w0.254: v1(51.816,40.132) 64.95,40.132 cw(c64.95,38.148) 66.352,39.552 ; 66.353,39.551 ccw(c67.756,40.956) 67.756,38.97 75.184,38.97 ccw(c75.184,42.418) 78.632,42.418 78.632,44.857 ccw(c78.393,44.943) 78.646,44.918 cw(c80.899,44.669) 80.259,46.844 ; 79.834,46.67 cw(c80.899,44.669) 80.259,46.844 ; 80.379,46.922 cw(c80.186,47.087) 80.259,46.844 ; 80.379,46.922 cw(c80.899,46.482) 80.437,46.983 ; 80.438,46.983 ccw(c80.264,47.168) 80.518,47.167 v1(80.518,47.371)
NetC211_2: C211.2 U201.11 X201.1 | length 6.8
  Top Layer w0.2: U201.11@99.065,42.798 99.065,42.274 ccw(c99.543,42.274) 99.084,42.14 ccw(c99.543,42.274) 99.205,41.936 99.45,41.691 cw(c98.858,41.099) 99.695,41.099 99.695,39.774 ccw(c100.345,39.774) 99.885,39.315 99.935,39.265 ; 99.935,39.265 ccw(c100.795,40.126) 100.104,39.124 ccw(c100.795,40.126) X201.1@100.795,38.909 100.795,37.12 C211.2@100.95,36.965
NetC212_2: C212.2 U201.12 X201.3 | length 6.9
  Top Layer w0.2: U201.12@99.565,42.798 99.565,42.618 99.611,42.572 101.454,42.572 cw(c101.454,41.631) 102.395,41.631 102.395,41.109 102.895,40.609 X201.3@102.995,40.609 103.195,40.409 C212.2@104.902,40.409
NetC301_1: C301.1 U301.42 | length 5
  Top Layer w0.2: U301.42@75.015,40.817 75.015,40.644 ccw(c76.458,40.644) 75.438,39.624 cw(c74.286,38.472) 75.915,38.472 U301.42@75.915,38.467 75.915,37.529 cw(c74.008,37.529) C301.1@75.357,36.18
NetC302_1: C302.1 U301.6 | length 5
  Top Layer w0.254: U301.6@76.84,44.142 U301.6@79.19,44.142 81.662,44.142 C302.1@81.755,44.048
NetC303_2: C303.2 U301.16 X301.1 | length 9.1
  Top Layer w0.254: U301.16@74.015,47.467 74.015,48.526 cw(c74.537,48.526) 74.168,48.895 ccw(c73.812,49.251) 74.315,49.251 U301.16@74.315,49.817 74.362,49.864 74.362,50.486 75.665,51.789 ccw(c75.485,51.968) 75.713,51.857 cw(c76.327,51.562) 76.032,52.176 ccw(c75.921,52.404) 76.1,52.224 76.276,52.4 ccw(c76.096,52.579) 76.337,52.498 76.24,52.498 76.461,52.585 ccw(c76.275,52.771) C303.2@76.538,52.771 76.513,52.771 76.24,53.044 76.24,53.069 75.957,53.351 ccw(c74.473,51.867) 74.473,53.966 X301.1@74.336,53.966